# KiCad board PortWing.kicad_pcb (continued)
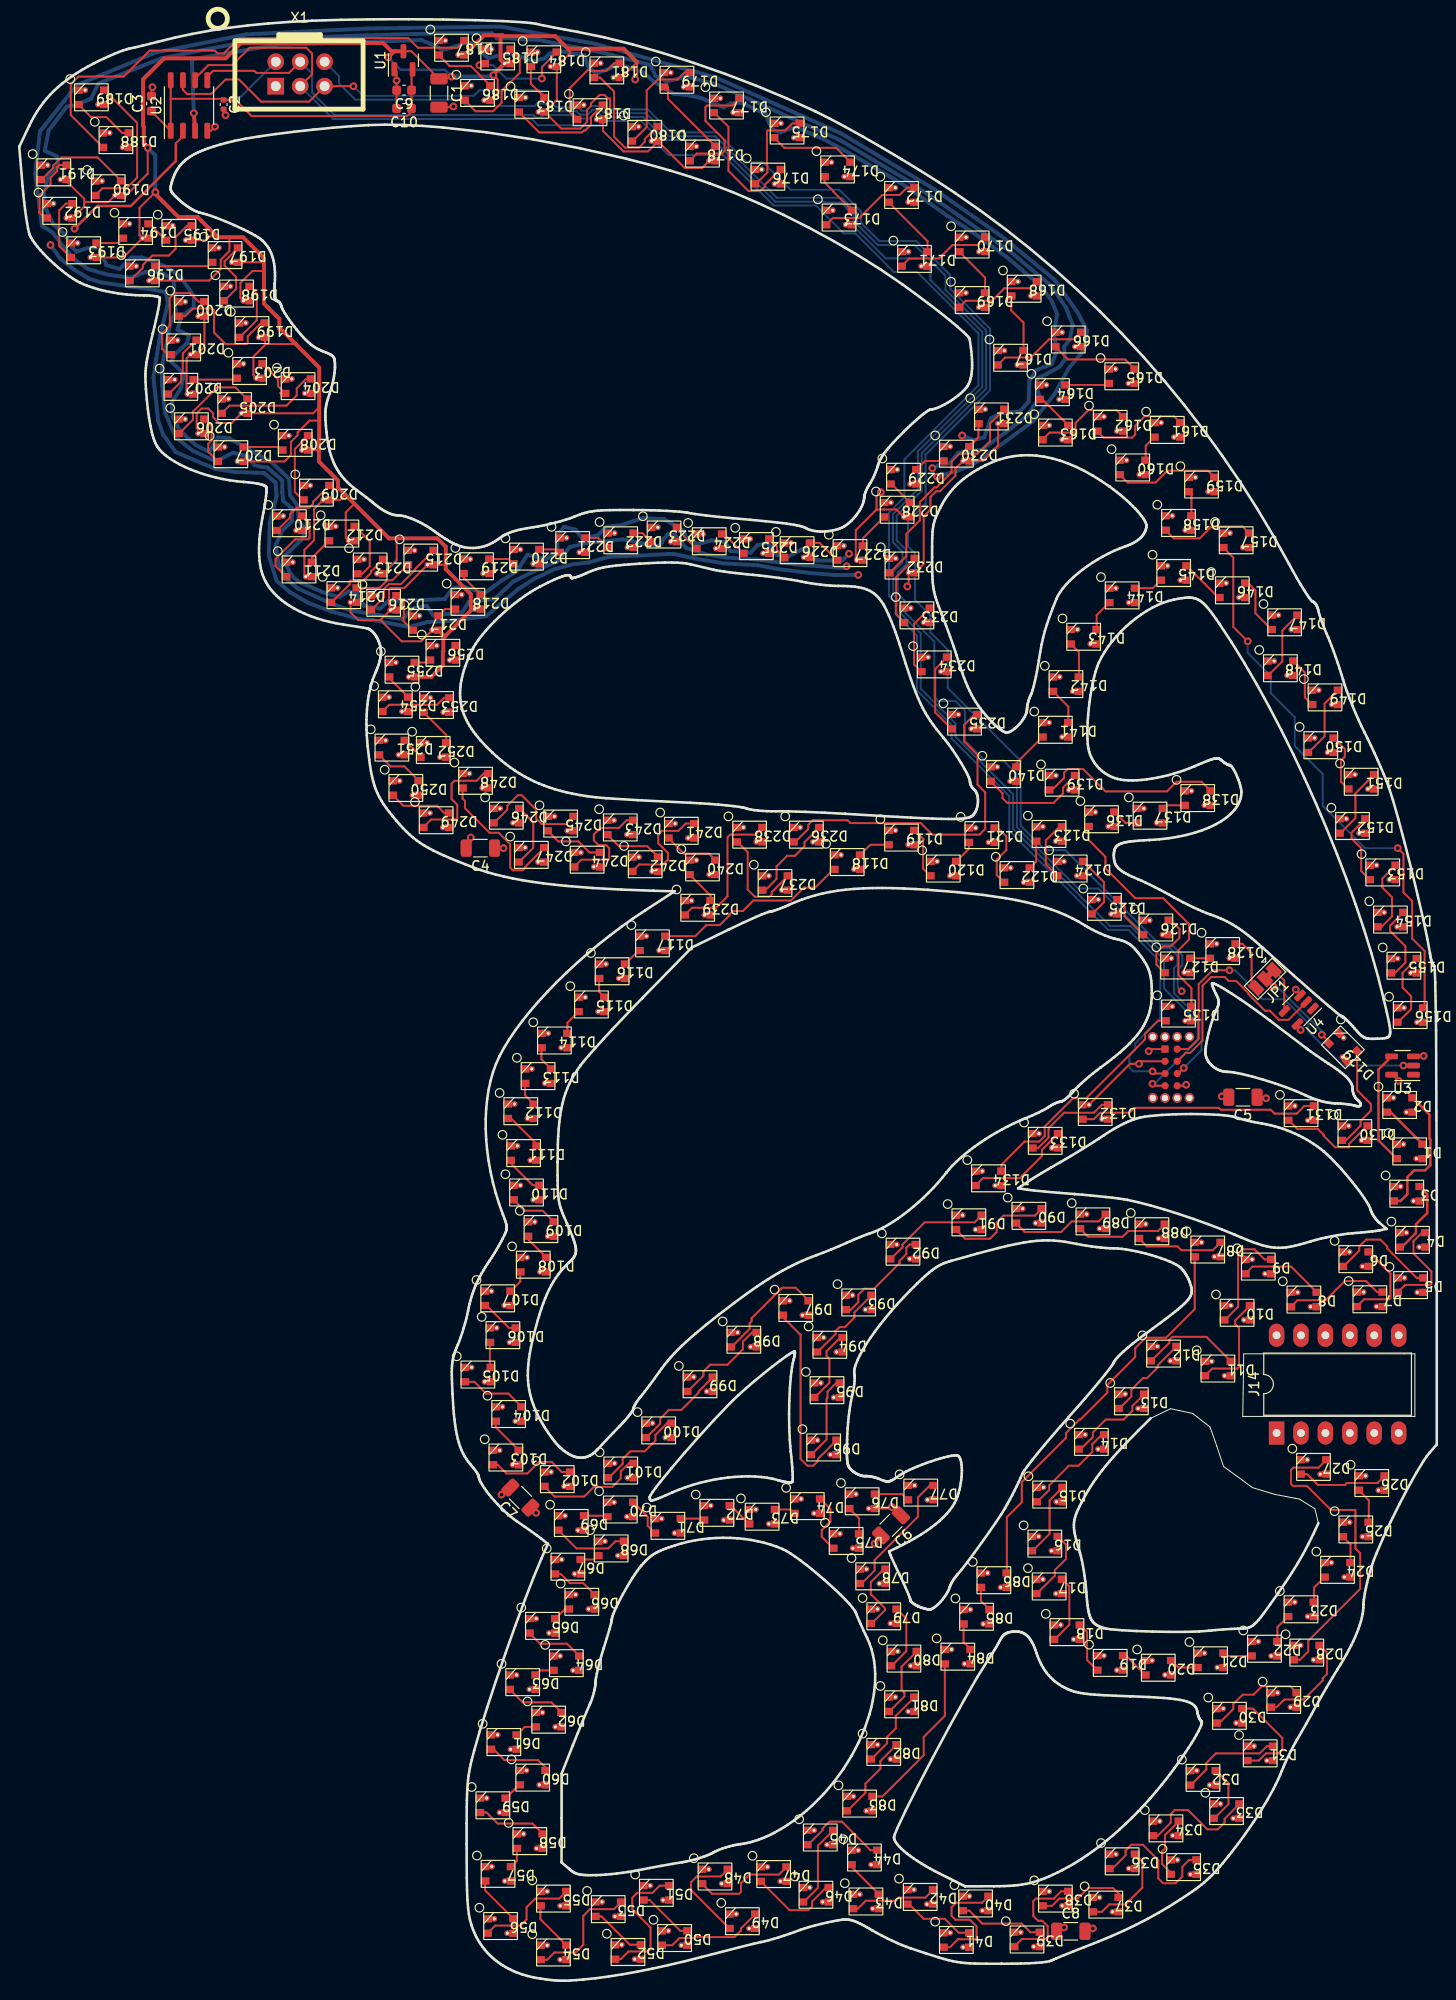
[diagram p0: board, top side]
## Nets (continued)
/ANTENNA: U2.2 U2.3
/NFC_MSG: J1.8 U2.7 X1.6
/PORT_GP0: J1.6 X1.5
/PORT_LED1_OUT: D128.4 JP1.3
/PORT_LED_1: J1.2 U3.2
/PORT_LED_2: J1.4 U4.2
/SCL: J1.5 U2.6 X1.4
/SDA: J1.7 U2.5 X1.3
Net-(D1-DIN): D1.2 U3.4
Net-(D2-DIN): D1.4 D2.2
Net-(D2-DOUT): D2.4 D3.2
Net-(D3-DOUT): D3.4 D4.2
Net-(D4-DOUT): D4.4 D5.2
Net-(D5-DOUT): D5.4 D6.2
Net-(D6-DOUT): D6.4 D7.2
Net-(D8-DIN): D7.4 D8.2
Net-(D8-DOUT): D8.4 D9.2
Net-(D9-DOUT): D9.4 D10.2
Net-(D10-DOUT): D10.4 D11.2
Net-(D11-DOUT): D11.4 D12.2
Net-(D12-DOUT): D12.4 D13.2
Net-(D13-DOUT): D13.4 D14.2
Net-(D14-DOUT): D14.4 D15.2
Net-(D15-DOUT): D15.4 D16.2
Net-(D16-DOUT): D16.4 D17.2
Net-(D18-DIN): D17.4 D18.2
Net-(D18-DOUT): D18.4 D19.2
Net-(D19-DOUT): D19.4 D20.2
Net-(D20-DOUT): D20.4 D21.2
Net-(D21-DOUT): D21.4 D22.2
Net-(D23-DIN): D22.4 D23.2
Net-(D23-DOUT): D23.4 D24.2
Net-(D24-DOUT): D24.4 D25.2
Net-(D25-DOUT): D25.4 D26.2
Net-(D26-DOUT): D26.4 D27.2
Net-(D27-DOUT): D27.4 D28.2
Net-(D28-DOUT): D28.4 D29.2
Net-(D29-DOUT): D29.4 D30.2
Net-(D30-DOUT): D30.4 D31.2
Net-(D31-DOUT): D31.4 D32.2
Net-(D32-DOUT): D32.4 D33.2
Net-(D34-DIN): D33.4 D34.2
Net-(D34-DOUT): D34.4 D35.2
Net-(D35-DOUT): D35.4 D36.2
Net-(D36-DOUT): D36.4 D37.2
Net-(D37-DOUT): D37.4 D38.2
Net-(D39-DIN): D38.4 D39.2
Net-(D39-DOUT): D39.4 D40.2
Net-(D40-DOUT): D40.4 D41.2
Net-(D41-DOUT): D41.4 D42.2
Net-(D42-DOUT): D42.4 D43.2
Net-(D43-DOUT): D43.4 D44.2
Net-(D44-DOUT): D44.4 D45.2
Net-(D45-DOUT): D45.4 D46.2
Net-(D46-DOUT): D46.4 D47.2
Net-(D47-DOUT): D47.4 D48.2
Net-(D48-DOUT): D48.4 D49.2
Net-(D50-DIN): D49.4 D50.2
Net-(D50-DOUT): D50.4 D51.2
Net-(D51-DOUT): D51.4 D52.2
Net-(D52-DOUT): D52.4 D53.2
Net-(D53-DOUT): D53.4 D54.2
Net-(D55-DIN): D54.4 D55.2
Net-(D55-DOUT): D55.4 D56.2
Net-(D56-DOUT): D56.4 D57.2
Net-(D57-DOUT): D57.4 D58.2
Net-(D58-DOUT): D58.4 D59.2
Net-(D59-DOUT): D59.4 D60.2
Net-(D60-DOUT): D60.4 D61.2
Net-(D61-DOUT): D61.4 D62.2
Net-(D62-DOUT): D62.4 D63.2
Net-(D63-DOUT): D63.4 D64.2
Net-(D64-DOUT): D64.4 D65.2
Net-(D66-DIN): D65.4 D66.2
Net-(D66-DOUT): D66.4 D67.2
Net-(D67-DOUT): D67.4 D68.2
Net-(D68-DOUT): D68.4 D69.2
Net-(D69-DOUT): D69.4 D70.2
Net-(D71-DIN): D70.4 D71.2
Net-(D71-DOUT): D71.4 D72.2
Net-(D72-DOUT): D72.4 D73.2
Net-(D73-DOUT): D73.4 D74.2
Net-(D74-DOUT): D74.4 D75.2
Net-(D75-DOUT): D75.4 D76.2
Net-(D76-DOUT): D76.4 D77.2
Net-(D77-DOUT): D77.4 D78.2
Net-(D78-DOUT): D78.4 D79.2
Net-(D79-DOUT): D79.4 D80.2
Net-(D80-DOUT): D80.4 D81.2
Net-(D82-DIN): D81.4 D82.2
Net-(D82-DOUT): D82.4 D83.2
Net-(D83-DOUT): D83.4 D84.2
Net-(D84-DOUT): D84.4 D85.2
Net-(D85-DOUT): D85.4 D86.2
Net-(D87-DIN): D86.4 D87.2
Net-(D87-DOUT): D87.4 D88.2
Net-(D88-DOUT): D88.4 D89.2
Net-(D89-DOUT): D89.4 D90.2
Net-(D90-DOUT): D90.4 D91.2
Net-(D91-DOUT): D91.4 D92.2
Net-(D92-DOUT): D92.4 D93.2
Net-(D93-DOUT): D93.4 D94.2
Net-(D94-DOUT): D94.4 D95.2
Net-(D95-DOUT): D95.4 D96.2
Net-(D96-DOUT): D96.4 D97.2
Net-(D98-DIN): D97.4 D98.2
Net-(D98-DOUT): D98.4 D99.2
Net-(D99-DOUT): D99.4 D100.2
Net-(D100-DOUT): D100.4 D101.2
Net-(D101-DOUT): D101.4 D102.2
Net-(D103-DIN): D102.4 D103.2
Net-(D103-DOUT): D103.4 D104.2
Net-(D104-DOUT): D104.4 D105.2
Net-(D105-DOUT): D105.4 D106.2
Net-(D106-DOUT): D106.4 D107.2
Net-(D107-DOUT): D107.4 D108.2
Net-(D108-DOUT): D108.4 D109.2
Net-(D109-DOUT): D109.4 D110.2
Net-(D110-DOUT): D110.4 D111.2
Net-(D111-DOUT): D111.4 D112.2
Net-(D113-DIN): D112.4 D113.2
Net-(D113-DOUT): D113.4 D114.2
Net-(D114-DOUT): D114.4 D115.2
Net-(D115-DOUT): D115.4 D116.2
Net-(D116-DOUT): D116.4 D117.2
Net-(D117-DOUT): D117.4 D118.2
Net-(D119-DIN): D118.4 D119.2
Net-(D119-DOUT): D119.4 D120.2
Net-(D120-DOUT): D120.4 D121.2
Net-(D121-DOUT): D121.4 D122.2
Net-(D122-DOUT): D122.4 D123.2
Net-(D123-DOUT): D123.4 D124.2
Net-(D124-DOUT): D124.4 D125.2
Net-(D125-DOUT): D125.4 D126.2
Net-(D126-DOUT): D126.4 D127.2
Net-(D127-DOUT): D127.4 D128.2
Net-(D129-DOUT): D129.4 D130.2
Net-(D130-DOUT): D130.4 D131.2
Net-(D131-DOUT): D131.4 D132.2
Net-(D132-DOUT): D132.4 D133.2
Net-(D133-DOUT): D133.4 D134.2
Net-(D135-DIN): D134.4 D135.2
Net-(D135-DOUT): D135.4 D136.2
Net-(D136-DOUT): D136.4 D137.2
Net-(D137-DOUT): D137.4 D138.2
Net-(D138-DOUT): D138.4 D139.2
Net-(D139-DOUT): D139.4 D140.2
Net-(D140-DOUT): D140.4 D141.2
Net-(D141-DOUT): D141.4 D142.2
Net-(D142-DOUT): D142.4 D143.2
Net-(D143-DOUT): D143.4 D144.2
Net-(D145-DIN): D144.4 D145.2
Net-(D145-DOUT): D145.4 D146.2
Net-(D146-DOUT): D146.4 D147.2
Net-(D147-DOUT): D147.4 D148.2
Net-(D148-DOUT): D148.4 D149.2
Net-(D149-DOUT): D149.4 D150.2
Net-(D151-DIN): D150.4 D151.2
Net-(D151-DOUT): D151.4 D152.2
Net-(D152-DOUT): D152.4 D153.2
Net-(D153-DOUT): D153.4 D154.2
Net-(D154-DOUT): D154.4 D155.2
Net-(D155-DOUT): D155.4 D156.2
Net-(D156-DOUT): D156.4 D157.2
Net-(D157-DOUT): D157.4 D158.2
Net-(D158-DOUT): D158.4 D159.2
Net-(D159-DOUT): D159.4 D160.2
Net-(D161-DIN): D160.4 D161.2
Net-(D161-DOUT): D161.4 D162.2
Net-(D162-DOUT): D162.4 D163.2
Net-(D163-DOUT): D163.4 D164.2
Net-(D164-DOUT): D164.4 D165.2
Net-(D165-DOUT): D165.4 D166.2
Net-(D167-DIN): D166.4 D167.2
Net-(D167-DOUT): D167.4 D168.2
Net-(D168-DOUT): D168.4 D169.2
Net-(D169-DOUT): D169.4 D170.2
Net-(D170-DOUT): D170.4 D171.2
Net-(D171-DOUT): D171.4 D172.2
Net-(D172-DOUT): D172.4 D173.2
Net-(D173-DOUT): D173.4 D174.2
Net-(D174-DOUT): D174.4 D175.2
Net-(D175-DOUT): D175.4 D176.2
Net-(D177-DIN): D176.4 D177.2
Net-(D177-DOUT): D177.4 D178.2
Net-(D178-DOUT): D178.4 D179.2
Net-(D179-DOUT): D179.4 D180.2
Net-(D180-DOUT): D180.4 D181.2
Net-(D181-DOUT): D181.4 D182.2
Net-(D183-DIN): D182.4 D183.2
Net-(D183-DOUT): D183.4 D184.2
Net-(D184-DOUT): D184.4 D185.2
Net-(D185-DOUT): D185.4 D186.2
Net-(D186-DOUT): D186.4 D187.2
Net-(D187-DOUT): D187.4 D188.2
Net-(D188-DOUT): D188.4 D189.2
Net-(D189-DOUT): D189.4 D190.2
Net-(D190-DOUT): D190.4 D191.2
Net-(D191-DOUT): D191.4 D192.2
Net-(D193-DIN): D192.4 D193.2
Net-(D193-DOUT): D193.4 D194.2
Net-(D194-DOUT): D194.4 D195.2
Net-(D195-DOUT): D195.4 D196.2
Net-(D196-DOUT): D196.4 D197.2
Net-(D197-DOUT): D197.4 D198.2
Net-(D199-DIN): D198.4 D199.2
Net-(D199-DOUT): D199.4 D200.2
Net-(D200-DOUT): D200.4 D201.2
Net-(D201-DOUT): D201.4 D202.2
Net-(D202-DOUT): D202.4 D203.2
Net-(D203-DOUT): D203.4 D204.2
Net-(D204-DOUT): D204.4 D205.2
Net-(D205-DOUT): D205.4 D206.2
Net-(D206-DOUT): D206.4 D207.2
Net-(D207-DOUT): D207.4 D208.2
Net-(D209-DIN): D208.4 D209.2
Net-(D209-DOUT): D209.4 D210.2
Net-(D210-DOUT): D210.4 D211.2
Net-(D211-DOUT): D211.4 D212.2
Net-(D212-DOUT): D212.4 D213.2
Net-(D213-DOUT): D213.4 D214.2
Net-(D215-DIN): D214.4 D215.2
Net-(D215-DOUT): D215.4 D216.2
Net-(D216-DOUT): D216.4 D217.2
Net-(D217-DOUT): D217.4 D218.2
Net-(D218-DOUT): D218.4 D219.2
Net-(D219-DOUT): D219.4 D220.2
Net-(D220-DOUT): D220.4 D221.2
Net-(D221-DOUT): D221.4 D222.2
Net-(D222-DOUT): D222.4 D223.2
Net-(D223-DOUT): D223.4 D224.2
Net-(D225-DIN): D224.4 D225.2
Net-(D225-DOUT): D225.4 D226.2
Net-(D226-DOUT): D226.4 D227.2
Net-(D227-DOUT): D227.4 D228.2
Net-(D228-DOUT): D228.4 D229.2
Net-(D229-DOUT): D229.4 D230.2
Net-(D231-DIN): D230.4 D231.2
Net-(D231-DOUT): D231.4 D232.2
Net-(D232-DOUT): D232.4 D233.2
Net-(D233-DOUT): D233.4 D234.2
Net-(D234-DOUT): D234.4 D235.2
Net-(D235-DOUT): D235.4 D236.2
Net-(D236-DOUT): D236.4 D237.2
Net-(D237-DOUT): D237.4 D238.2
Net-(D238-DOUT): D238.4 D239.2
Net-(D239-DOUT): D239.4 D240.2
Net-(D241-DIN): D240.4 D241.2
Net-(D241-DOUT): D241.4 D242.2
Net-(D242-DOUT): D242.4 D243.2
Net-(D243-DOUT): D243.4 D244.2
Net-(D244-DOUT): D244.4 D245.2
Net-(D245-DOUT): D245.4 D246.2
Net-(D247-DIN): D246.4 D247.2
Net-(D247-DOUT): D247.4 D248.2
Net-(D248-DOUT): D248.4 D249.2
Net-(D249-DOUT): D249.4 D250.2
Net-(D250-DOUT): D250.4 D251.2
Net-(D251-DOUT): D251.4 D252.2
Net-(D252-DOUT): D252.4 D253.2
Net-(D253-DOUT): D253.4 D254.2
Net-(D254-DOUT): D254.4 D255.2
Net-(D255-DOUT): D255.4 D256.2
Net-(JP1-A): JP1.1 U4.4
Net-(JP1-C): D129.2 JP1.2

Pads without a net: D256 4; J14 1 2 3 4 5 6 7 8 9 10 11 12; U3 1; U4 1

## Via types
v1: diameter 0.8, hole 0.4, Top to Bottom, 53 vias

## Routing (per net, layer and track width the routed paths; a pad name or vN(x,y) marks a point on that pad's centre or on a via; arc(x,y) is an arc through that point)
/3V3: length 44.6
  Top w0.2: 15.75,195.64 U2.8 ; 15.75,195.64 U2.1 13.76,194.31 C3.1 ; 15.75,195.64 21.14,195.64 C2.1 22.24,195.52 v1(22.36,195.64) 24.16,193.84 40.36,193.84 40.8,194.28 C10.1 40.8,198.59 U1.2
  Bottom w0.2: X1.1 22.83,195.64 v1(22.36,195.64)
/5V: length 616.6
  Top w0.2: v1(13.36,190.54) 13.36,187.85 11.1,185.59 D190.3 ; 6.76,184.94 6.78,184.92 9.28,184.92 D190.3 ; 6.76,184.94 6.76,185.24 4.76,187.24 D191.3 ; 6.76,184.94 6.76,184.44 D192.3 ; J1.1 117.67,96.85 v1(117.46,96.64) ; v1(89.6,154.74) 89.16,154.3 89.16,152.94 ; 25.66,170.14 25.56,170.24 D199.3 ; 25.66,170.14 24.36,168.84 24.36,166.89 D203.3 ; 25.66,170.14 28.76,170.14 ; D206.3 18.61,161.26 18.46,161.41 18.46,162.94 18.96,163.44 19.66,163.44 20.16,162.94 20.16,162.54 20.76,161.94 22.11,161.94 D205.3 ; U4.5 132.92,99.17 v1(133.26,98.84) ; v1(90.76,49.24) 91.61,48.38 C6.1 90.99,49.09 D76.3 ; v1(143.46,93.54) 142.81,94.19 U3.5 ; 25.46,178.94 25.16,178.64 D197.3 ; 39.26,149.94 39.26,147.67 D213.3 ; D217.3 41.81,139.24 39.77,139.24 37.56,141.45 ; 89.16,152.94 91.22,152.94 D228.3 ; 89.16,152.94 87,150.78 87,147.76 D227.3 ; U1.3 40.79,200.58 C1.1 43.78,197.84 44.96,197.84 v1(44.96,197.94) ; D196.3 19.76,176.74 20.96,177.94 20.96,178.9 21.86,179.8 21.86,181.24 ; 25.46,177.74 24.26,177.74 23.01,176.49 23.01,174.94 D198.3 ; 37.56,141.45 37.56,141.44 35.26,141.44 34.46,142.24 D214.3 ; 37.56,141.45 D216.3 38.6,142.91 38.46,143.06 38.46,144.64 38.61,144.79 40.06,144.79 D215.3 ; 33.91,154.49 33.36,153.94 D209.3 30.66,152.99 30.66,149.74 29.66,148.74 29.66,146.1 D211.3 ; D201.3 19.26,169.84 D200.3 ; D212.3 33.96,149.99 33.96,152.64 34.86,153.54 ; 57.26,200.84 57.26,200.34 D184.3 55.91,195.52 D183.3 56.37,192.54 58.36,192.54 59.06,193.24 59.06,194.49 59.46,194.89 59.46,195.14 60.36,196.04 60.86,196.04 61.23,195.67 61.46,195.67 61.46,194.24 D182.3 60.71,192.29 62.83,190.17 65.38,190.17 66.41,191.19 D180.3 69.21,188.44 71.01,188.44 D178.3 ; D202.3 17.41,165.04 17.41,168.64 D201.3 ; v1(64.06,197.64) 64.26,197.84 64.26,199.44 62.66,197.84 D181.3 ; D193.3 10.81,179.14 D194.3 12.51,181.44 12.51,184.29 v1(14.16,185.94) ; D215.3 44.31,147.19 44.36,147.14 ; v1(53.76,48.64) 53.21,49.19 C7.1 ; C5.1 129.56,91.84 v1(129.66,91.74) ; D204.3 30.83,165.02 31.2,165.38 ; v1(108.66,5.54) 108.55,5.43 107.85,5.43 ; 31.16,158.94 30.98,159.12 D208.3 ; 20.21,181.69 19.46,180.94 D195.3 ; 31.2,162.18 30.19,162.18 28.96,160.95 28.96,160.68 28.26,159.98 28.26,158.6 27.6,157.94 D207.3 ; v1(92.36,144.94) 92.5,145.08 D232.3 ; v1(49.31,198.1) 49.76,197.65 49.76,196.17 49.08,195.49 D186.3 ; C4.1 v1(50.36,117.74) ; 31.2,163.58 30.56,162.94 D205.3 ; D231.3 101.8,159.58 100.21,157.99 D230.3 97.36,157.19 97.36,156.44 95.76,154.84 95.36,154.84 94.76,154.24 94.76,152.94 94.06,152.24 94.06,147.27 D232.3
  Top w0.4: 44.31,139.79 44.21,139.79 D217.3 ; 44.31,139.79 46.96,142.44 46.96,144.14 44.36,146.74 44.36,149.07 43.48,149.94 38.46,149.94 33.16,155.24 33.16,155.94 31.16,157.94 31.16,160.14 31.2,160.18 31.2,167.7 27.16,171.74 27.06,171.74 27.06,172.74 25.46,174.34 25.46,179.07 23.28,181.24 20.66,181.24 18.56,183.34 16.56,183.34 14.16,185.74 v1(14.16,185.94) ; 44.31,139.79 44.11,139.59 44.11,138.19 44.06,138.14 44.06,136.74 42.86,135.54 D255.3 ; v1(13.36,190.54) 12.96,190.94 12.96,192.74 12.88,192.82 12.88,197.67 15.06,199.84 21.47,199.84 23.07,201.44 37.84,201.44 38.71,200.58 39.09,200.58 ; D187.3 48.36,202.24 50.26,202.24 50.06,202.04 50.06,199.69 D185.3 49.31,198.15 v1(49.31,198.1) ; 64.26,199.44 62.86,200.84 57.06,200.84 55.76,202.14 50.16,202.14 ; v1(38.36,199.94) 38.99,200.58 39.09,200.58 ; 39.09,200.58 U1.3
  In2.Cu w0.2: 72.66,151.24 72.46,151.04 D224.3 ; 88.51,180.99 88.56,180.99 D172.3 ; 58.16,151.44 58.26,151.34 D221.3 ; v1(13.36,190.54) D189.3 D189.3 ; 98.46,163.64 100.23,161.86 D231.3 ; D226.3 81.6,149.68 82.06,150.14 ; D176.3 74.16,186.79 D178.3 71.76,191.69 D177.3 ; D176.3 78.56,189.59 D175.3 ; D176.3 D176.3 83.46,182.54 D173.3 85.96,187.39 D174.3 ; D168.3 100.97,175.14 D169.3 ; D170.3 95.81,175.74 95.81,175.69 ; D225.3 77.36,150.44 77.66,150.74 ; D166.3 105.7,169.86 D167.3 99.93,167.96 99.8,168.1 ; v1(64.06,197.64) 64.83,196.86 D179.3 ; 63.56,152.14 63.26,151.84 D222.3 ; D162.3 109.36,161.09 D163.3 108.16,160.49 D164.3 100.39,164.39 99.8,164.98 ; D210.3 31.61,153.57 D209.3 ; D205.3 19.51,162.94 D202.3 ; D220.3 53.46,149.94 ; D223.3 67.76,151.74 67.96,151.94 68.26,151.94
  In2.Cu w0.25: D179.3 69.1,194.58 D180.3 ; v1(13.36,190.54) 13.31,190.59 D188.3
  In2.Cu w0.4: D215.3 43.36,146.29 D219.3 48.26,146.74 51.46,149.94 54.46,149.94 55.46,150.94 56.96,150.94 57.46,151.44 59.76,151.44 60.46,152.14 68.06,152.14 68.96,151.24 75.16,151.24 75.66,150.74 81.06,150.74 81.66,150.14 86.06,150.14 88.86,152.94 88.86,154.14 90.31,155.59 D229.3 92.66,158.54 94.56,160.44 95.26,160.44 99.8,164.98 D169.3 97.53,173.96 93.81,177.69 D171.3 91.26,178.24 86.96,182.54 D173.3
  Bottom w0.25: v1(38.36,199.94) 39.66,198.64 44.26,198.64 v1(44.96,197.94)
  Bottom w0.4: v1(14.16,185.94) 14.16,189.74 v1(13.36,190.54) ; v1(44.96,197.94) 49.16,197.94 v1(49.31,198.1)
/GND: length 25.3
  Top w0.2: U4.3 133.19,102.61 v1(132.76,103.04) ; v1(20.36,192.74) 19.93,192.32 U2.4 ; v1(111.66,5.44) 111.65,5.43 110.8,5.43 ; C5.2 125.16,91.84 v1(125.06,91.94) ; D132.1 115.5,95.31 v1(116.44,95.31) 116.71,95.58 J1.3 ; v1(146.06,96.14) 146.01,96.09 U3.3 ; C3.2 13.76,196.74 v1(13.86,196.84) ; v1(45.15,194.84) 45.08,194.77 C1.2 ; v1(50.16,50.54) 50.89,51.27 C7.2 ; C4.2 46.48,118.37 v1(46.96,118.84) ; U1.1 39.25,198.46 v1(39.25,197.53) C9.2 C10.2 ; v1(88.96,45.44) 89.61,46.1 C6.2 ; C2.2 21.26,194.14 v1(21.46,193.94)
/ANTENNA: length 878.3
  Top w0.2: 16.28,191 17.02,191.73 U2.2
  Top w0.25: v1(5.76,182.14) 8.11,184.49 11.61,184.49 16.28,189.17 16.28,191
  Top w0.4: v1(18.16,194.14) U2.3
  In2.Cu w0.2: v1(86.3,148.34) 86.8,148.84 90.16,148.84 91.66,149.74 92.86,150.84 92.96,152.14 93.66,153.74 93.86,154.84 93.96,156.64 94.56,157.94 94.86,158.34 96.16,158.44 97.56,159.04 v1(98.06,160.64) ; v1(86.06,147.04) 86.66,146.94 87.56,146.94 89.76,147.44 90.46,148.44 92.06,149.44 93.26,150.44 93.56,151.74 93.56,152.44 94.56,154.14 94.66,155.24 94.56,156.24 v1(94.96,157.24)
  In2.Cu w0.25: v1(5.76,182.14) 3.16,180.54 v1(3.26,180.44)
  In2.Cu w0.4: v1(95.46,156.34) 95.46,154.54 94.16,151.94 93.96,149.24 92.46,147.44 90.46,146.44 v1(87.26,146.14)
  Bottom w0.4: v1(86.3,148.34) 85.6,147.64 82.96,147.64 81.66,148.94 81.06,148.64 79.96,148.04 78.76,148.24 77.86,149.44 76.76,149.24 76.06,148.44 73.96,148.64 73.46,149.54 71.96,149.74 70.66,149.34 69.46,149.84 69.06,150.74 67.06,151.94 64.86,152.04 62.66,151.34 61.06,151.14 60.16,150.24 58.56,149.94 57.86,150.84 56.66,151.14 55.96,150.14 55.96,148.54 54.76,147.74 52.86,148.24 51.76,146.54 50.16,145.54 48.36,144.24 46.16,144.94 45.06,144.74 44.26,143.64 42.26,143.54 38.36,143.44 37.56,142.64 35.86,142.94 35.16,144.14 34.26,144.44 33.26,143.84 31.56,144.34 29.76,145.14 29.26,145.34 28.56,145.84 28.06,146.54 27.76,147.24 27.46,148.04 28.16,148.64 29.56,150.04 29.56,151.14 29.06,151.74 28.96,153.34 28.16,154.44 28.06,156.14 26.26,157.84 21.86,160.34 20.66,160.44 19.76,158.94 18.36,159.64 17.56,160.34 16.66,161.24 15.96,162.64 15.86,164.04 16.86,165.64 17.16,167.04 15.76,168.34 16.26,169.14 17.46,170.24 17.66,171.04 16.46,171.64 16.86,173.04 18.16,173.94 18.16,175.14 16.76,177.14 15.36,178.14 13.96,178.74 12.76,179.14 11.66,179.14 10.46,177.94 9.06,178.34 8.36,180.14 7.16,180.14 5.96,179.74 5.46,180.24 4.76,181.54 3.56,182.54 2.76,184.24 2.56,185.84 3.06,187.74 4.06,188.64 3.96,189.64 2.66,190.24 3.06,192.34 4.96,194.84 5.76,194.94 7.46,195.64 8.26,197.24 14.76,199.84 19.76,200.84 25.16,201.84 36.16,202.24 43.66,202.44 49.16,202.44 49.67,201.93 50.75,201.93 54.06,201.74 60.66,200.44 65.66,199.14 66.16,198.04 67.36,197.44 69.36,197.94 72.46,197.14 78.06,194.64 85.36,191.34 92.56,187.04 97.36,183.74 102.96,179.84 107.26,176.24 108.86,173.94 109.56,172.14 109.26,170.64 108.66,169.84 108.76,168.54 108.16,167.74 106.86,167.04 105.86,166.54 105.76,165.74 106.16,164.64 104.76,162.64 102.56,160.94 100.06,159.14 97.66,158.84 96.76,157.74 95.66,157.54 v1(94.96,157.24) ; 86.06,146.84 83.16,147.04 80.66,147.24 78.26,147.54 76.76,147.74 73.56,147.94 71.56,148.24 69.36,148.94 68.16,150.34 67.46,150.34 66.96,149.84 66.86,149.54 66.66,149.24 66.26,149.14 62.76,149.84 58.96,149.44 57.26,149.04 55.96,147.54 53.66,146.59 51.36,145.44 49.46,143.64 46.76,143.34 46.06,142.24 43.06,141.94 42.36,142.94 40.76,142.64 39.96,141.54 38.56,141.74 37.46,141.94 34.46,142.44 32.26,143.24 28.96,144.74 27.76,145.74 26.96,147.34 26.66,149.24 27.36,150.74 28.36,151.74 28.36,153.04 27.46,153.84 27.36,154.74 27.36,155.94 27.06,156.24 26.46,156.74 25.76,157.34 25.36,157.34 24.46,157.54 23.86,158.44 22.26,158.84 20.46,157.94 18.06,159.04 16.26,160.44 15.16,163.04 14.86,165.84 14.86,167.84 15.36,170.44 15.66,172.04 16.26,173.54 16.16,175.44 16.06,176.74 14.76,177.64 13.16,177.64 12.16,177.24 11.56,177.04 9.26,177.34 7.16,177.94 5.86,178.84 4.46,180.44 3.46,181.74 2.36,182.44 1.66,187.84 2.16,192.24 5.96,197.04 14.16,200.44 23.66,202.34 36.26,202.94 50.06,203.14 59.96,201.34 72.46,197.84 85.46,192.04 95.16,186.24 102.16,181.34 107.66,176.84 110.06,173.44 111.06,171.54 110.76,169.54 109.16,167.64 107.66,164.94 105.46,162.14 100.56,158.54 98.86,157.44 97.46,156.94 v1(95.46,156.34) ; v1(98.06,160.64) 99.26,160.14 100.36,160.44 101.06,162.44 102.06,162.94 104.06,163.14 104.96,164.14 105.06,166.34 105.76,167.44 107.36,168.04 107.96,169.54 107.56,171.24 107.96,173.24 107.36,174.64 106.36,176.04 102.76,179.14 99.46,181.54 96.56,183.44 92.36,186.44 91.56,186.94 90.56,187.54 86.06,190.14 83.66,191.44 80.86,192.64 80.16,192.54 79.16,192.14 78.36,192.44 77.96,193.14 77.66,194.04 75.06,195.24 73.96,195.14 73.26,194.74 70.86,195.74 69.36,196.04 68.06,196.14 65.96,197.44 64.96,198.34 62.36,199.24 61.26,198.74 59.96,198.24 59.16,199.04 58.76,200.14 56.06,200.64 55.16,200.34 54.66,199.84 53.46,199.54 51.26,200.34 49.86,200.14 48.76,199.84 48.06,200.54 47.56,201.44 46.36,201.44 44.96,200.94 44.06,200.74 41.86,201.74 29.96,201.34 26.66,201.24 22.66,200.54 17.96,199.74 v1(18.16,194.14) ; v1(3.26,180.44) 4.26,179.04 5.76,177.84 7.26,176.94 8.56,176.54 11.36,176.14 13.66,175.84 15.26,175.54 15.46,174.34 14.66,171.04 14.26,168.64 13.96,166.64 14.46,162.14 14.96,160.74 16.26,158.94 17.36,158.44 20.46,157.14 22.46,156.84 25.46,156.74 26.66,155.74 26.76,154.34 26.06,151.54 25.96,148.14 26.76,145.54 28.16,144.34 30.06,143.24 32.46,142.34 35.46,141.54 36.76,141.44 40.56,140.74 42.46,141.24 44.66,141.34 48.56,141.84 49.96,143.04 51.86,144.64 53.56,145.74 55.66,146.74 57.56,147.24 59.26,147.44 61.36,148.04 64.26,148.14 67.96,148.34 70.36,147.84 73.26,147.34 76.86,147.14 78.96,146.74 82.26,146.34 84.76,146.14 v1(87.26,146.14)
/NFC_MSG: length 198.7
  Top w0.2: v1(34.76,196.94) 34.75,196.95 X1.6 30.15,195.34 25.16,195.34 22.86,197.64 21.46,197.64 19.96,196.14 17.46,196.14 17.02,196.58 U2.7 ; J1.8 121.16,93.04 121.26,93.14 v1(121.36,93.14)
  In1.Cu w0.2: v1(121.36,93.14) 122.46,94.24 122.46,97.84 122.66,98.04 122.66,101.1 v1(120.88,102.87)
  Bottom w0.2: v1(120.88,102.87) 120.49,103.26 120.49,105.11 120.96,105.57 120.96,106.61 119.82,107.74 118.59,107.74 108.79,117.54 106.69,117.54 104.16,120.07 104.16,126.81 96.56,134.41 96.56,138.37 94.76,140.17 94.76,141.94 93.16,143.54 93.16,148.37 92.42,149.11 92.42,151.71 94.26,153.54 94.26,158.64 100.96,165.34 100.96,171.74 100.36,172.34 100.35,172.34 96.8,175.89 96.8,177.32 93.29,180.84 89.45,180.84 87.56,182.74 87.56,183.91 85.29,186.17 80.22,186.17 77.36,189.04 75.65,189.04 72.55,192.14 67.76,192.14 65.36,194.54 61.25,194.54 61.15,194.64 60.89,194.64 60.64,194.89 59.48,194.89 59.33,194.74 59.3,194.74 58.95,194.39 58.46,194.39 58.11,194.74 55.86,194.74 54.06,196.54 47.86,196.54 47.26,195.94 35.76,195.94 v1(34.76,196.94)
/PORT_GP0: length 183.5
  Top w0.2: v1(121.11,94.89) 120.53,94.31 J1.6
  Bottom w0.2: v1(121.11,94.89) 122.96,96.73 122.96,99.81 120.09,102.67 120.09,105.27 120.46,105.64 120.46,106.54 119.66,107.34 118.42,107.34 112.22,113.54 110.12,113.54 103.76,119.91 103.76,125.44 102.36,126.84 100.42,126.84 98.36,128.91 98.36,132.04 97.36,133.04 95.59,133.04 95.16,133.47 95.16,139.21 92.06,142.31 92.06,143.47 91.36,144.17 91.36,146.37 92.26,147.27 92.26,148.71 91.26,149.71 91.26,152.29 93.86,154.89 93.86,158.81 100.56,165.51 100.56,171.57 96.32,175.81 96.32,177.24 93.12,180.44 89.29,180.44 87.16,182.57 87.16,183.74 85.56,185.34 78.79,185.34 76.29,187.84 76.29,187.84 72.39,191.74 67.56,191.74 65.16,194.14 61.09,194.14 60.99,194.24 60.72,194.24 60.47,194.49 59.64,194.49 59.49,194.34 59.47,194.34 59.12,193.99 58.29,193.99 57.94,194.34 55.69,194.34 54.89,195.14 53.86,195.14 53.61,194.89 46.51,194.89 45.86,195.54 34.96,195.54 33.26,197.24 33.26,197.99 X1.5
/PORT_LED1_OUT: length 5.9
  Top w0.2: D128.4 127.21,107.79 128.16,106.84 128.16,103.7 JP1.3
/PORT_LED_1: length 36
  Top w0.2: v1(125.86,105.04) 124.09,105.04 122.66,103.61 122.66,97.95 121.56,96.85 J1.2 ; U3.2 v1(143.96,95.14)
  Bottom w0.2: v1(143.96,95.14) 137.65,95.14 134.06,98.73 134.06,99.54 131.56,102.04 129.26,102.04 127.56,103.74 127.56,103.94 126.46,105.04 v1(125.86,105.04)
/PORT_LED_2: length 23.1
  Top w0.2: U4.2 132.01,99.89 131.01,99.89 130.06,100.84 129.56,100.84 127.83,102.56 127.83,102.66 126.56,103.94 125.76,103.94 125.36,104.34 123.96,104.34 123.06,103.44 123.06,97.74 121.77,96.45 121.3,96.45 J1.4
/SCL: length 198.1
  Top w0.2: U2.6 18.29,197.76 19.67,199.14 22.16,199.14 23.96,200.94 29.86,200.94 30.46,200.34 30.46,198.19 X1.4 ; v1(117.86,94.54) 118.09,94.31 J1.5
  Bottom w0.2: X1.4 32.63,193.54 53.31,193.54 53.96,192.89 60.3,192.89 60.75,193.34 64.65,193.34 66.36,191.64 66.36,190.94 67.51,189.79 73.21,189.79 78.46,184.54 82.86,184.54 85.76,181.64 86.96,181.64 90.96,177.64 93.36,177.64 99.76,171.24 99.76,165.84 92.06,158.14 92.06,154.22 90.46,152.62 90.46,143.94 91.26,143.14 91.26,141.94 93.36,139.84 93.36,134.14 96.96,130.54 96.96,129.14 102.96,123.14 102.96,119.54 113.26,109.24 115.36,109.24 118.66,105.94 118.66,100.04 116.06,97.44 116.06,96.74 115.46,96.14 115.46,94.94 115.86,94.54 v1(117.86,94.54)
/SDA: length 197.4
  Top w0.2: U2.5 19.56,197.95 20.16,198.54 24.46,198.54 24.67,198.33 28.05,198.33 X1.3 ; v1(117.86,93.24) 118.06,93.04 J1.7
  Bottom w0.2: X1.3 30.46,198.25 30.46,196.28 32.79,193.94 53.47,193.94 53.75,193.66 54.25,193.66 54.52,193.94 57.78,193.94 58.13,193.59 59.31,193.59 59.81,194.09 60.3,194.09 60.56,193.84 60.82,193.84 60.92,193.74 64.86,193.74 67.26,191.34 72.22,191.34 76.12,187.44 76.12,187.44 78.62,184.94 83.66,184.94 83.76,184.84 85.46,184.84 86.76,183.54 86.76,182.41 90.12,179.04 93.96,179.04 94.76,178.24 94.76,176.81 100.16,171.41 100.16,165.67 93.46,158.97 93.46,155.06 90.86,152.46 90.86,149.54 91.86,148.54 91.86,147.44 90.89,146.47 90.89,144.07 91.66,143.31 91.66,142.14 93.76,140.04 93.76,134.31 97.36,130.71 97.36,129.34 103.36,123.34 103.36,119.74 113.46,109.64 115.56,109.64 119.06,106.14 119.06,103.14 122.56,99.64 122.56,97.74 118.06,93.24 v1(117.86,93.24)
Net-(D1-DIN): length 12
  Top w0.25: D1.2 141.36,87.35 141.36,94.73 U3.4
Net-(D2-DIN): length 5.1
  Top w0.25: D1.4 142.62,90.29 D2.2
Net-(D2-DOUT): length 14.1
  Top w0.25: D2.4 146.66,90.04 146.66,87.54 146.76,87.44 146.76,84.8 146.2,84.24 145.06,84.24 144.36,83.54 144.36,81.77 143.65,81.06 D3.2
Net-(D3-DOUT): length 7.9
  Top w0.25: D4.2 143.78,76.26 145.26,77.74 145.26,78.64 146.42,79.81 146.42,81.79 D3.4
Net-(D4-DOUT): length 10.7
  Top w0.2: D4.4 145.88,77.76 145,76.88 145,75.6 146.86,73.74 146.86,72.45 146.75,72.34 144.12,72.34 D5.2
Net-(D5-DOUT): length 11.6
  Top w0.2: D6.2 137.72,74.26 139.36,75.9 139.36,76.34 140.06,77.04 141.56,77.04 142.26,76.34 142.26,76.13 145.32,73.06 D5.4
Net-(D6-DOUT): length 9.6
  Top w0.2: D6.4 142.6,73.51 142.6,70.96 142.48,70.84 139.86,70.84 D7.2
Net-(D8-DIN): length 11.1
  Top w0.2: D7.4 141.21,71.59 140.06,72.74 137.86,72.74 135.86,70.74 132.92,70.74 D8.2
Net-(D8-DOUT): length 8.9
  Top w0.2: D9.2 128.26,74.24 132.27,74.24 D8.4
Net-(D9-DOUT): length 11.6
  Top w0.2: D9.4 129.51,74.99 128.46,76.04 127.26,76.04 126.76,75.54 126.76,70.07 125.38,68.69 D10.2
Net-(D10-DOUT): length 11.1
  Top w0.2: D10.4 126.46,68.64 126.46,68.24 126.86,67.84 126.86,63.82 126.68,63.64 124.06,63.64 D11.2
Net-(D11-DOUT): length 10.6
  Top w0.2: D11.4 123.46,66.94 119.93,66.94 119.61,66.62 119.61,66.32 117.73,64.44 D12.2
Net-(D12-DOUT): length 9.3
  Top w0.2: D12.4 118.41,63.99 118.41,63.77 117.28,62.64 116.86,62.64 115.66,61.44 115.66,60.74 114.41,59.49 D13.2
Net-(D13-DOUT): length 9.8
  Top w0.2: D14.2 110.38,55.26 111.66,56.54 111.66,57 113,58.34 114.86,58.34 115.76,59.24 115.76,59.74 D13.4
Net-(D14-DOUT): length 10.7
  Top w0.2: D15.2 105.88,49.79 107.11,51.02 107.11,51.49 109.16,53.54 110.16,53.54 111.6,54.98 111.6,55.78 112.58,56.76 D14.4
Net-(D15-DOUT): length 8
  Top w0.2: D15.4 107.16,49.94 107.16,46.47 105.38,44.69 D16.2
Net-(D16-DOUT): length 7.6
  Top w0.2: D17.2 105.83,40.24 107.71,42.12 107.71,42.69 108.86,43.84 108.86,45.34 D16.4
Net-(D18-DIN): length 7.3
  Top w0.2: D17.4 109.21,40.99 109.21,37.02 107.68,35.49 D18.2
Net-(D18-DOUT): length 5.4
  Top w0.2: D19.2 111.06,33.34 111.06,36.24 D18.4
Net-(D19-DOUT): length 3.1
  Top w0.2: D20.2 115.11,33.79 D19.4
Net-(D20-DOUT): length 3
  Top w0.2: D20.4 120.53,32.56 D21.2
Net-(D21-DOUT): length 3
  Top w0.2: D21.4 125.55,33.76 D22.2
Net-(D23-DIN): length 3.1
  Top w0.2: D22.4 130.85,36.76 D23.2
Net-(D23-DOUT): length 3.1
  Top w0.2: D24.2 134.65,40.86 D23.4
Net-(D24-DOUT): length 3
  Top w0.2: D25.2 138.45,45.36 D24.4
Net-(D25-DOUT): length 3.8
  Top w0.2: D26.2 140.35,49.95 D25.4
Net-(D26-DOUT): length 9.6
  Top w0.2: D26.4 141.26,51.74 138.06,51.74 137.86,51.54 135.06,51.54 133.93,52.66 D27.2
Net-(D27-DOUT): length 32.4
  Top w0.2: D27.4 135.12,53.34 132.5,53.34 132.26,53.1 132.26,51.64 132.46,51.44 133.91,51.44 136.41,48.94 138.96,48.94 138.96,44.94 139.46,44.44 139.46,40.74 134.06,35.34 134.06,34.24 133.18,33.36 D28.2
Net-(D28-DOUT): length 10.7
  Top w0.2: D29.2 130.76,28.44 131.56,29.24 133.58,29.24 135.56,31.22 135.56,31.44 136,31.88 136,34.11 D28.4
Net-(D29-DOUT): length 10.5
  Top w0.2: D30.2 124.81,26.79 126.26,28.24 126.26,28.77 127.23,29.74 128.36,29.74 129.23,30.62 132.18,30.62 D29.4
Net-(D30-DOUT): length 10.7
  Top w0.2: D30.4 128.31,28.29 131.36,25.24 131.36,24.04 130.96,23.64 129.66,23.64 128.91,22.89 D31.2
Net-(D31-DOUT): length 10.7
  Top w0.2: D32.2 121.83,20.34 123.46,21.97 123.46,22.64 124.46,23.64 129.01,23.64 129.76,24.39 D31.4
Net-(D32-DOUT): length 6.2
  Top w0.2: D33.2 124.28,16.89 125.76,18.37 125.76,20.54 D32.4
Net-(D34-DIN): length 12.8
  Top w0.2: D33.4 125.36,16.84 125.36,16.44 124.66,15.74 123.56,15.74 121.56,17.74 120.16,17.74 119.76,17.34 119.76,16.44 118.41,15.09 D34.2
Net-(D34-DOUT): length 6.6
  Top w0.2: D34.4 119.16,15.14 119.16,13.74 118.86,13.44 118.86,12.14 119.75,11.25 D35.2
Net-(D35-DOUT): length 14.8
  Top w0.2: D35.4 121.68,12.56 120.96,11.84 120.96,10.84 120.26,10.14 118.96,10.14 118.46,10.64 118.46,12.54 116.86,14.14 115.66,14.14 115.06,13.54 115.06,13.04 113.68,11.66 D36.2
Net-(D36-DOUT): length 10
  Top w0.2: D37.2 112.58,7.16 113.36,7.94 115.05,7.94 116.8,9.69 116.8,12.41 D36.4
Net-(D37-DOUT): length 9.3
  Top w0.2: D38.2 107.41,7.79 108.16,8.54 110.06,8.54 111.16,9.64 113.76,9.64 114.35,9.05 D37.4
Net-(D39-DIN): length 12.7
  Top w0.2: D39.2 104.26,4.34 106.88,4.34 106.96,4.42 106.96,5.67 106.38,6.24 105.96,6.24 105.46,6.74 105.46,8.27 105.73,8.54 107.59,8.54 108.34,9.29 D38.4
Net-(D39-DOUT): length 9
  Top w0.2: D40.2 98.81,7.29 100.16,5.94 104.26,5.94 105.16,5.04 D39.4
Net-(D40-DOUT): length 13.4
  Top w0.2: D40.4 100.13,8.12 97.43,8.12 96.96,7.64 96.96,6.74 97.36,6.34 98.88,6.34 99.56,5.67 99.56,4.32 97.68,4.32 97.66,4.34 96.81,3.49 D41.2
Net-(D41-DOUT): length 7.7
  Top w0.2: D41.4 97.71,4.99 96.26,6.44 94.06,6.44 92.53,7.96 D42.2
Net-(D42-DOUT): length 9.2
  Top w0.2: D43.2 87.21,7.49 88.03,8.32 91.13,8.32 91.46,8.64 94.22,8.64 D42.4
Net-(D43-DOUT): length 4.3
  Top w0.2: D44.2 86.55,11.85 D43.4
Net-(D44-DOUT): length 9.6
  Top w0.2: D44.4 88.53,13.56 85.56,16.54 84.26,16.54 83.56,15.84 83.56,15.67 82.03,14.14 D45.2
Net-(D45-DOUT): length 8.8
  Top w0.2: D45.4 83.06,14.04 83.06,9.67 81.58,8.19 D46.2
Net-(D46-DOUT): length 9.6
  Top w0.2: D47.2 80.11,7.34 82.06,7.34 82.46,7.74 82.46,8.24 83.91,9.69 D46.4
Net-(D47-DOUT): length 10.9
  Top w0.2: D48.2 72.06,9.04 74.86,9.04 75.06,9.24 75.06,10.14 75.96,11.04 79.01,11.04 D47.4
Net-(D48-DOUT): length 10.9
  Top w0.2: D49.2 69.86,9.44 69.86,10.24 70.46,10.84 72.96,10.84 D48.4
Net-(D50-DIN): length 11.2
  Top w0.2: D50.2 67.91,3.69 68.66,4.44 70.18,4.44 70.26,4.52 70.26,4.54 74.38,4.54 75.06,5.22 75.06,5.44 D49.4
Net-(D50-DOUT): length 5.9
  Top w0.2: D50.4 68.76,5.19 65.56,8.39 D51.2
Net-(D51-DOUT): length 14.6
  Top w0.2: D52.2 62.56,2.24 63.36,3.04 65.38,3.04 65.66,3.32 65.66,5.54 63.76,7.44 63.76,8.64 64.26,9.14 65.86,9.14 66.61,9.89 D51.4
Net-(D52-DOUT): length 6
  Top w0.2: D52.4 63.51,3.74 60.56,6.69 D53.2
Net-(D53-DOUT): length 12.6
  Top w0.2: D54.2 54.91,2.19 55.66,2.94 57.86,2.94 58.66,3.74 58.66,6.74 59.36,7.44 61.86,7.44 D53.4
Net-(D55-DIN): length 5.2
  Top w0.2: D55.2 54.21,6.39 D54.4
Net-(D55-DOUT): length 10.7
  Top w0.2: D56.2 49.51,5.74 52.13,5.74 52.76,6.37 52.76,7.64 53.66,8.54 56.16,8.54 D55.4
Net-(D56-DOUT): length 5.1
  Top w0.2: D56.4 48.45,9.4 D57.2
Net-(D57-DOUT): length 2.1
  Top w0.2: D58.2 51.75,12.46 D57.4
Net-(D58-DOUT): length 7.5
  Top w0.2: D59.2 48.61,17.49 49.76,16.34 53.37,16.34 D58.4
